# Altium PCB PROC054D_MMWCAS_RF_EVM.PcbDoc (part 1 of 14) (continued)
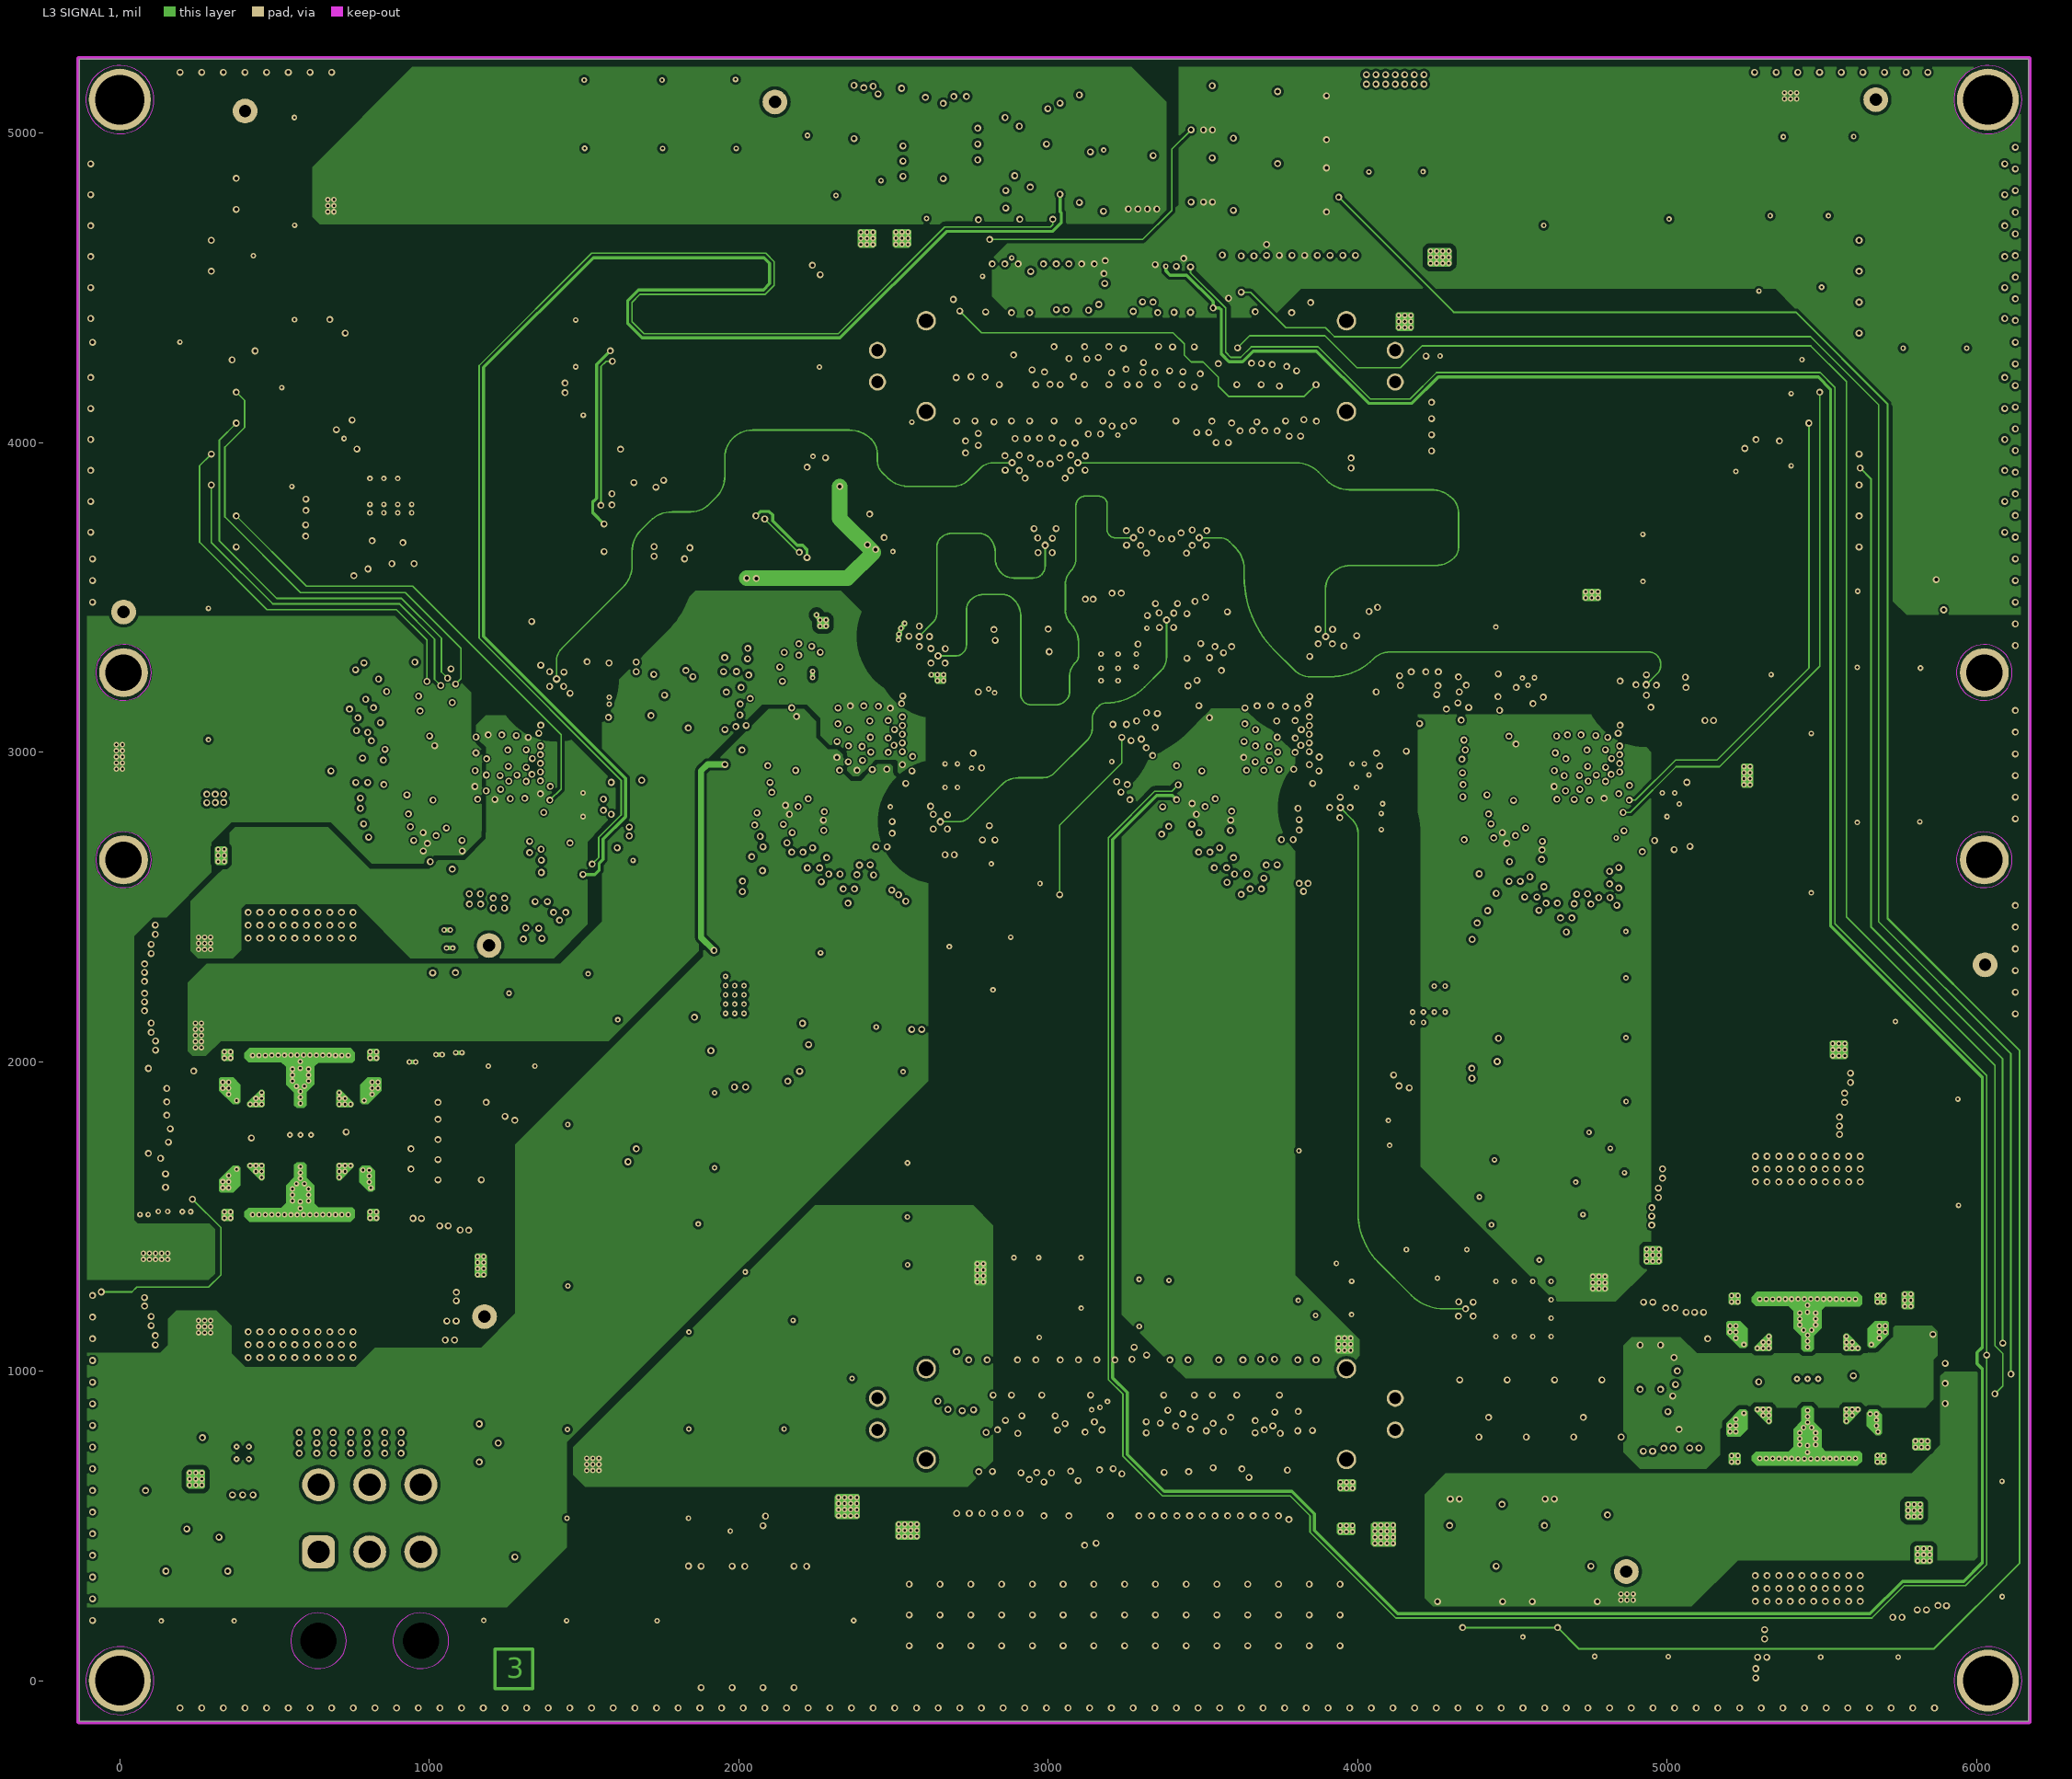
[diagram p3: L3 SIGNAL 1]
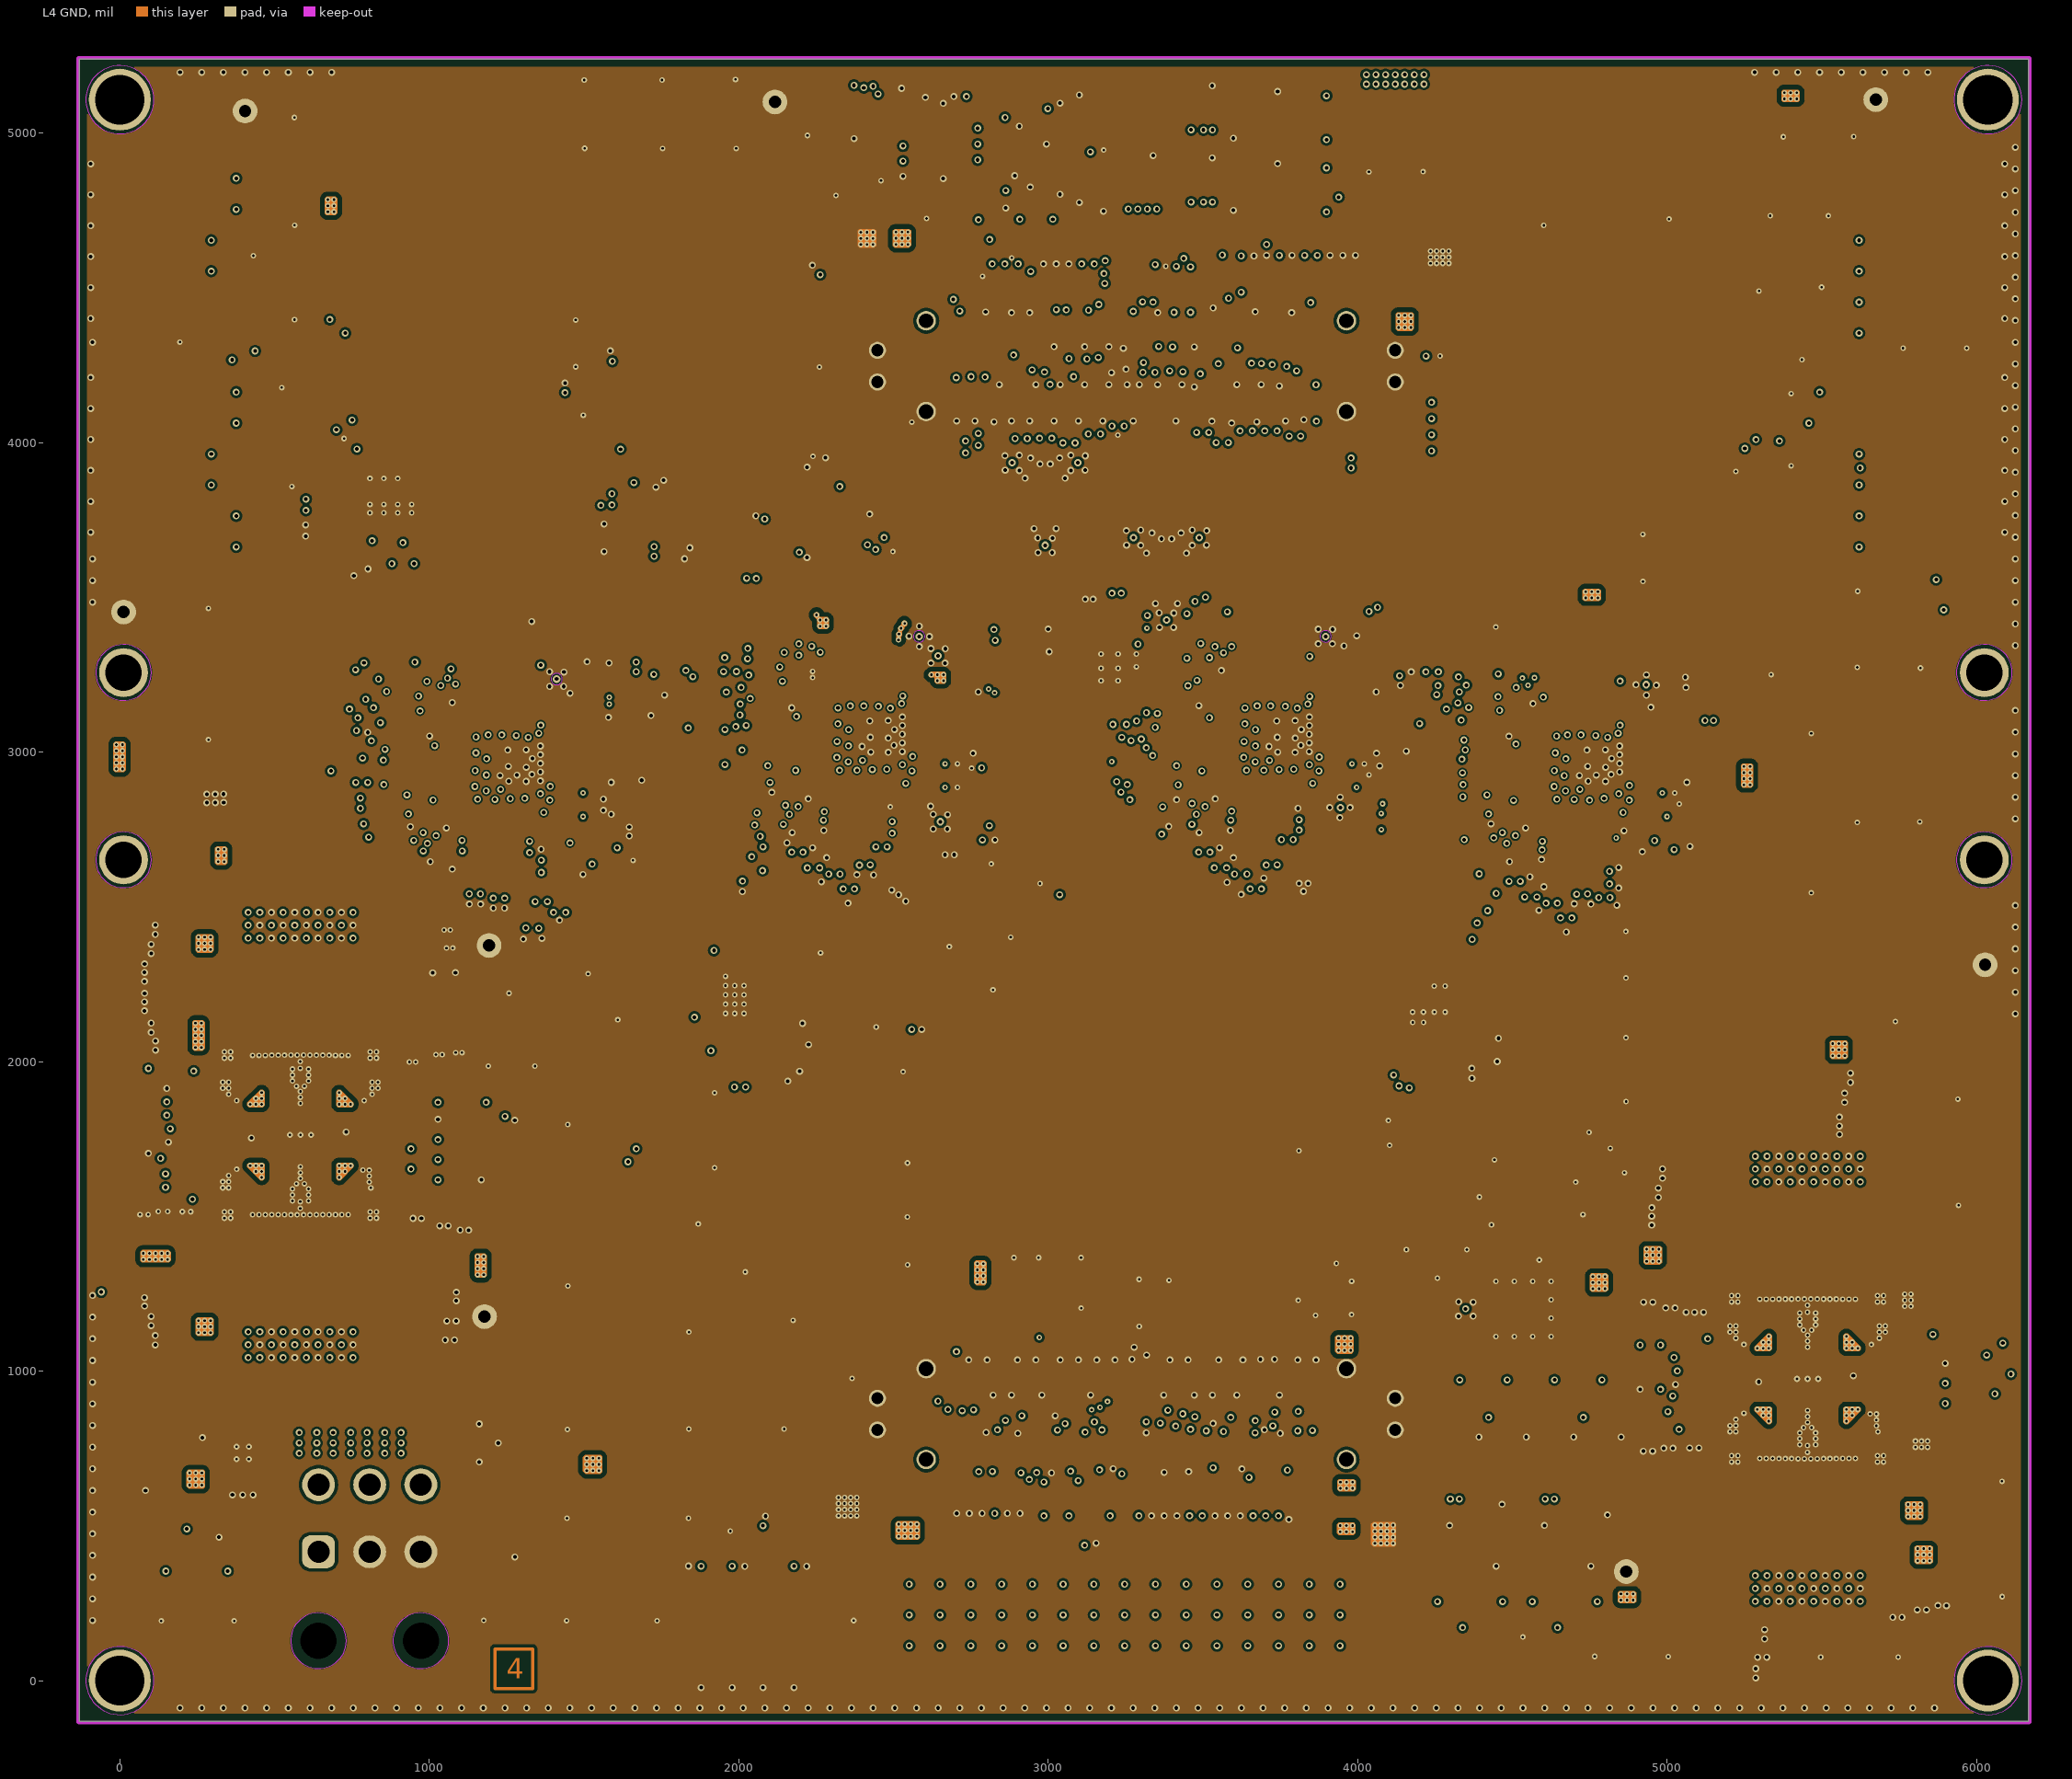
[diagram p4: L4 GND]
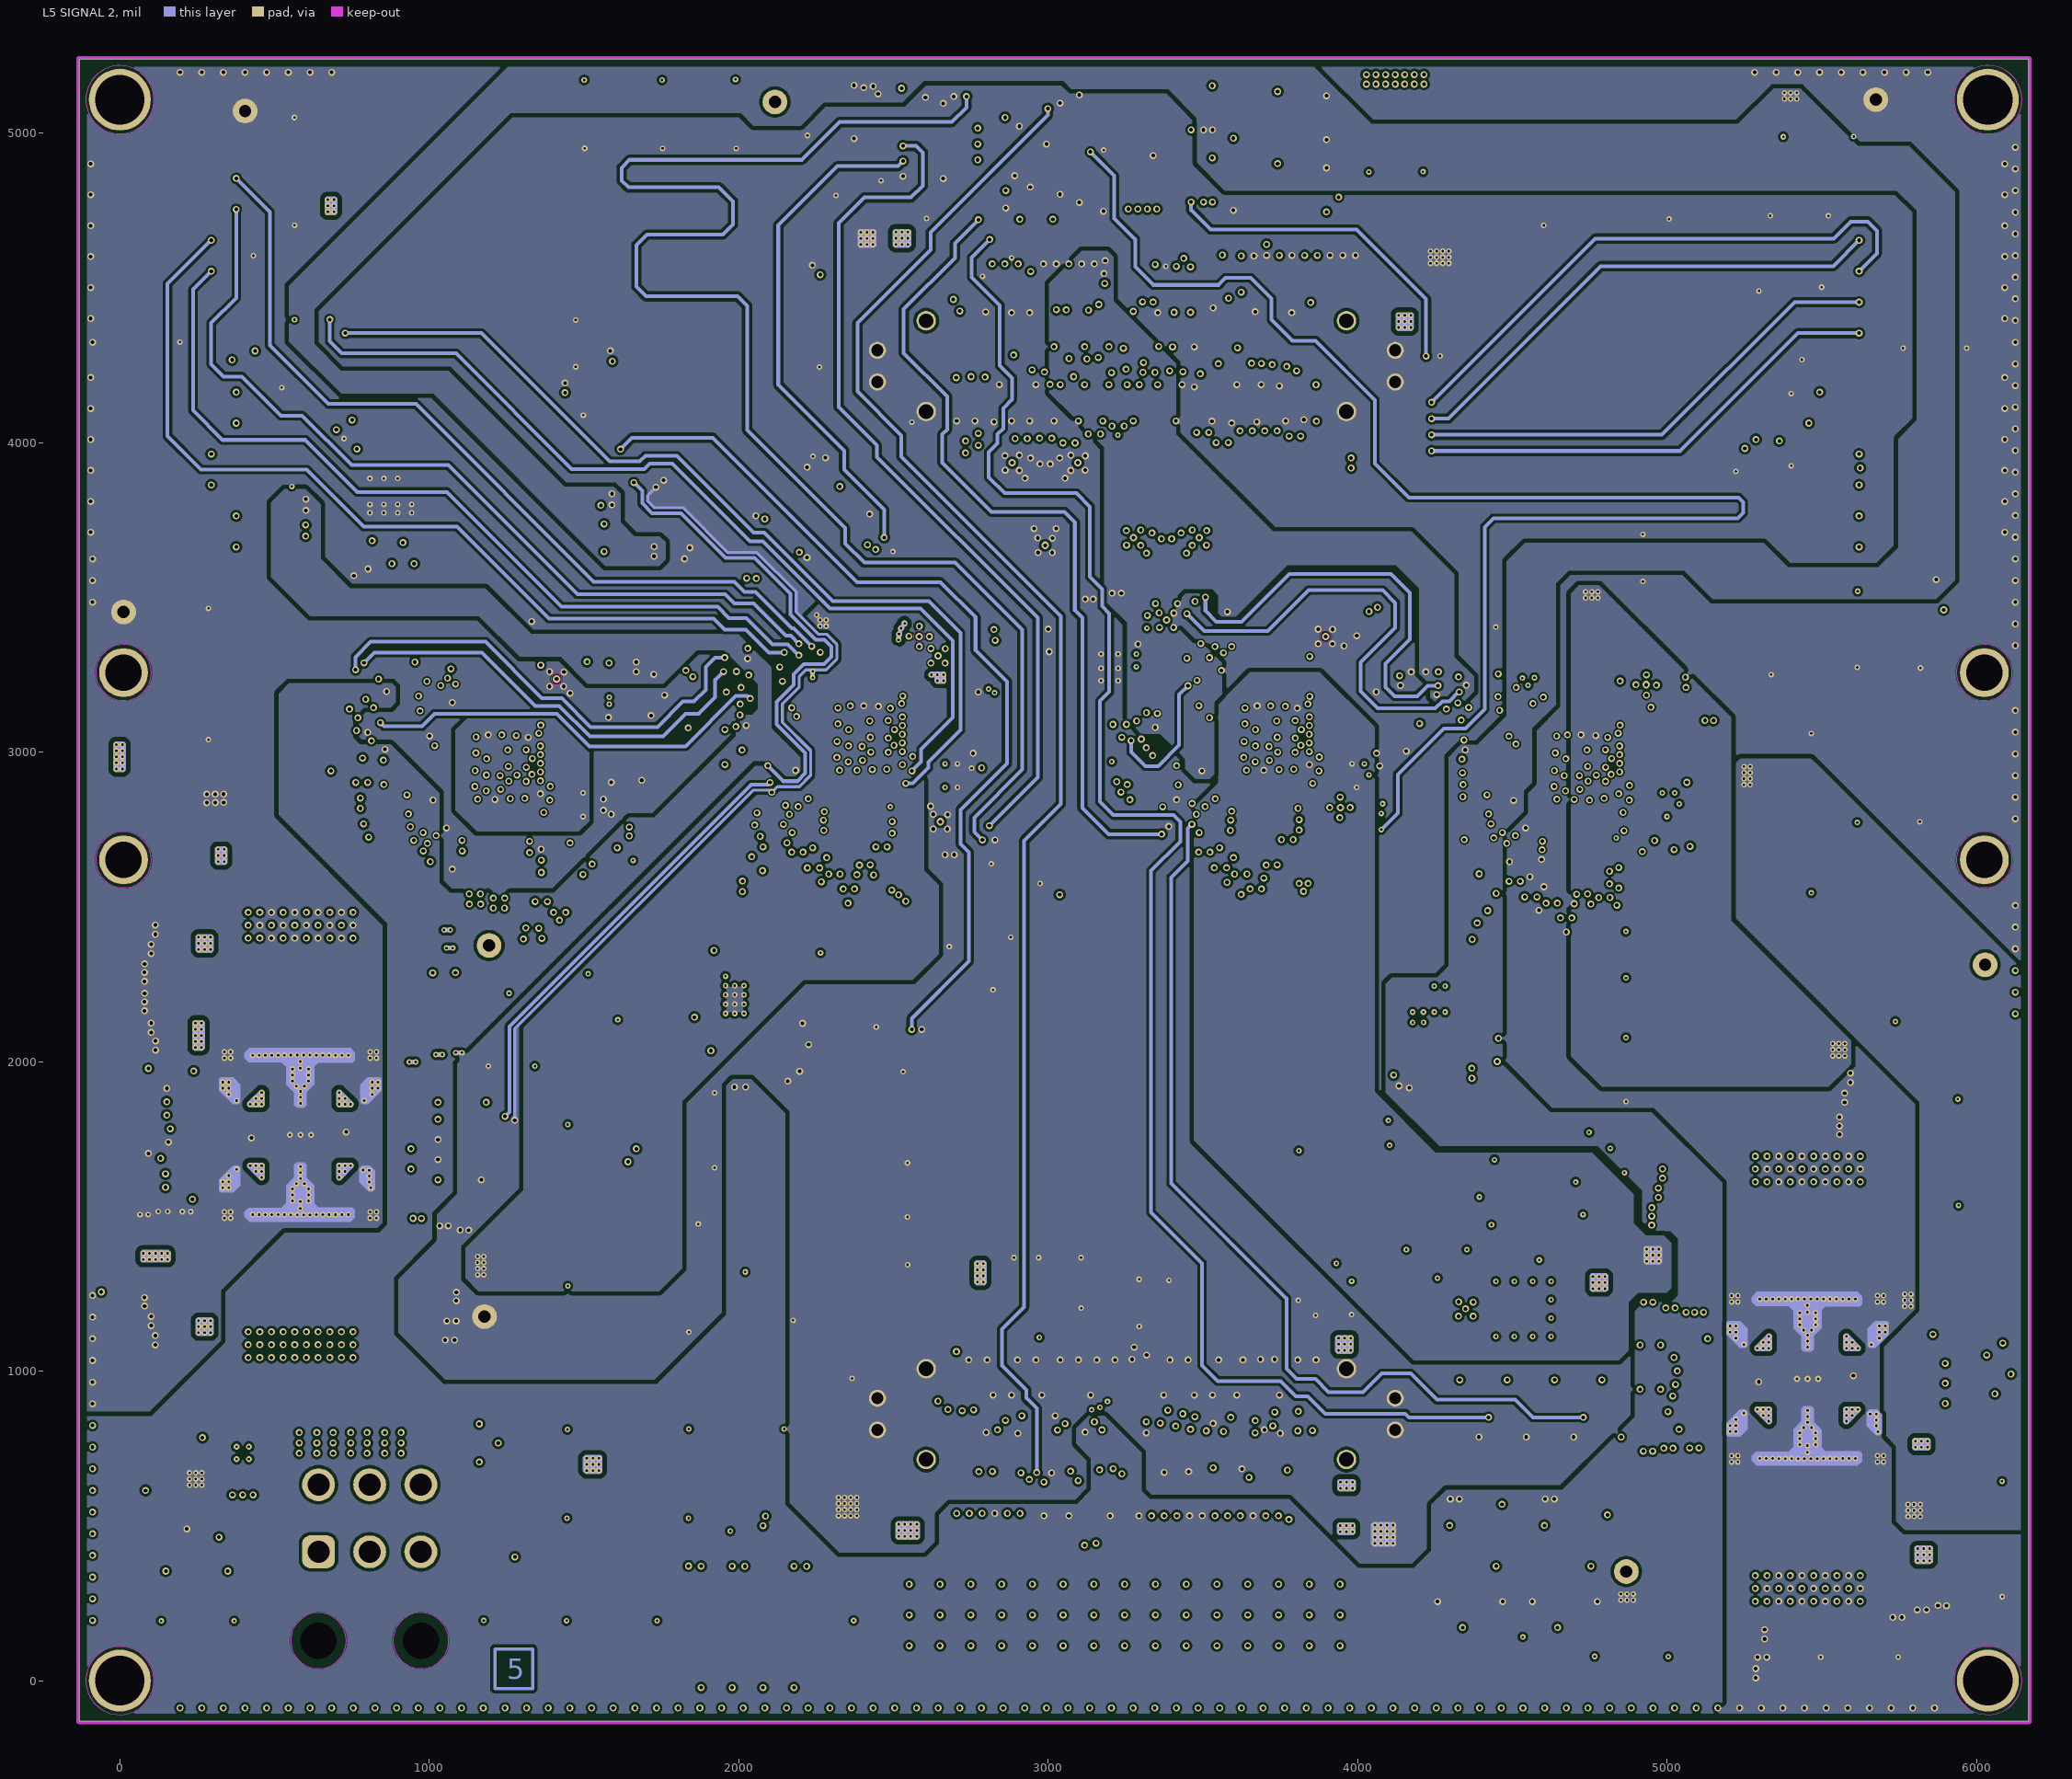
[diagram p5: L5 SIGNAL 2]
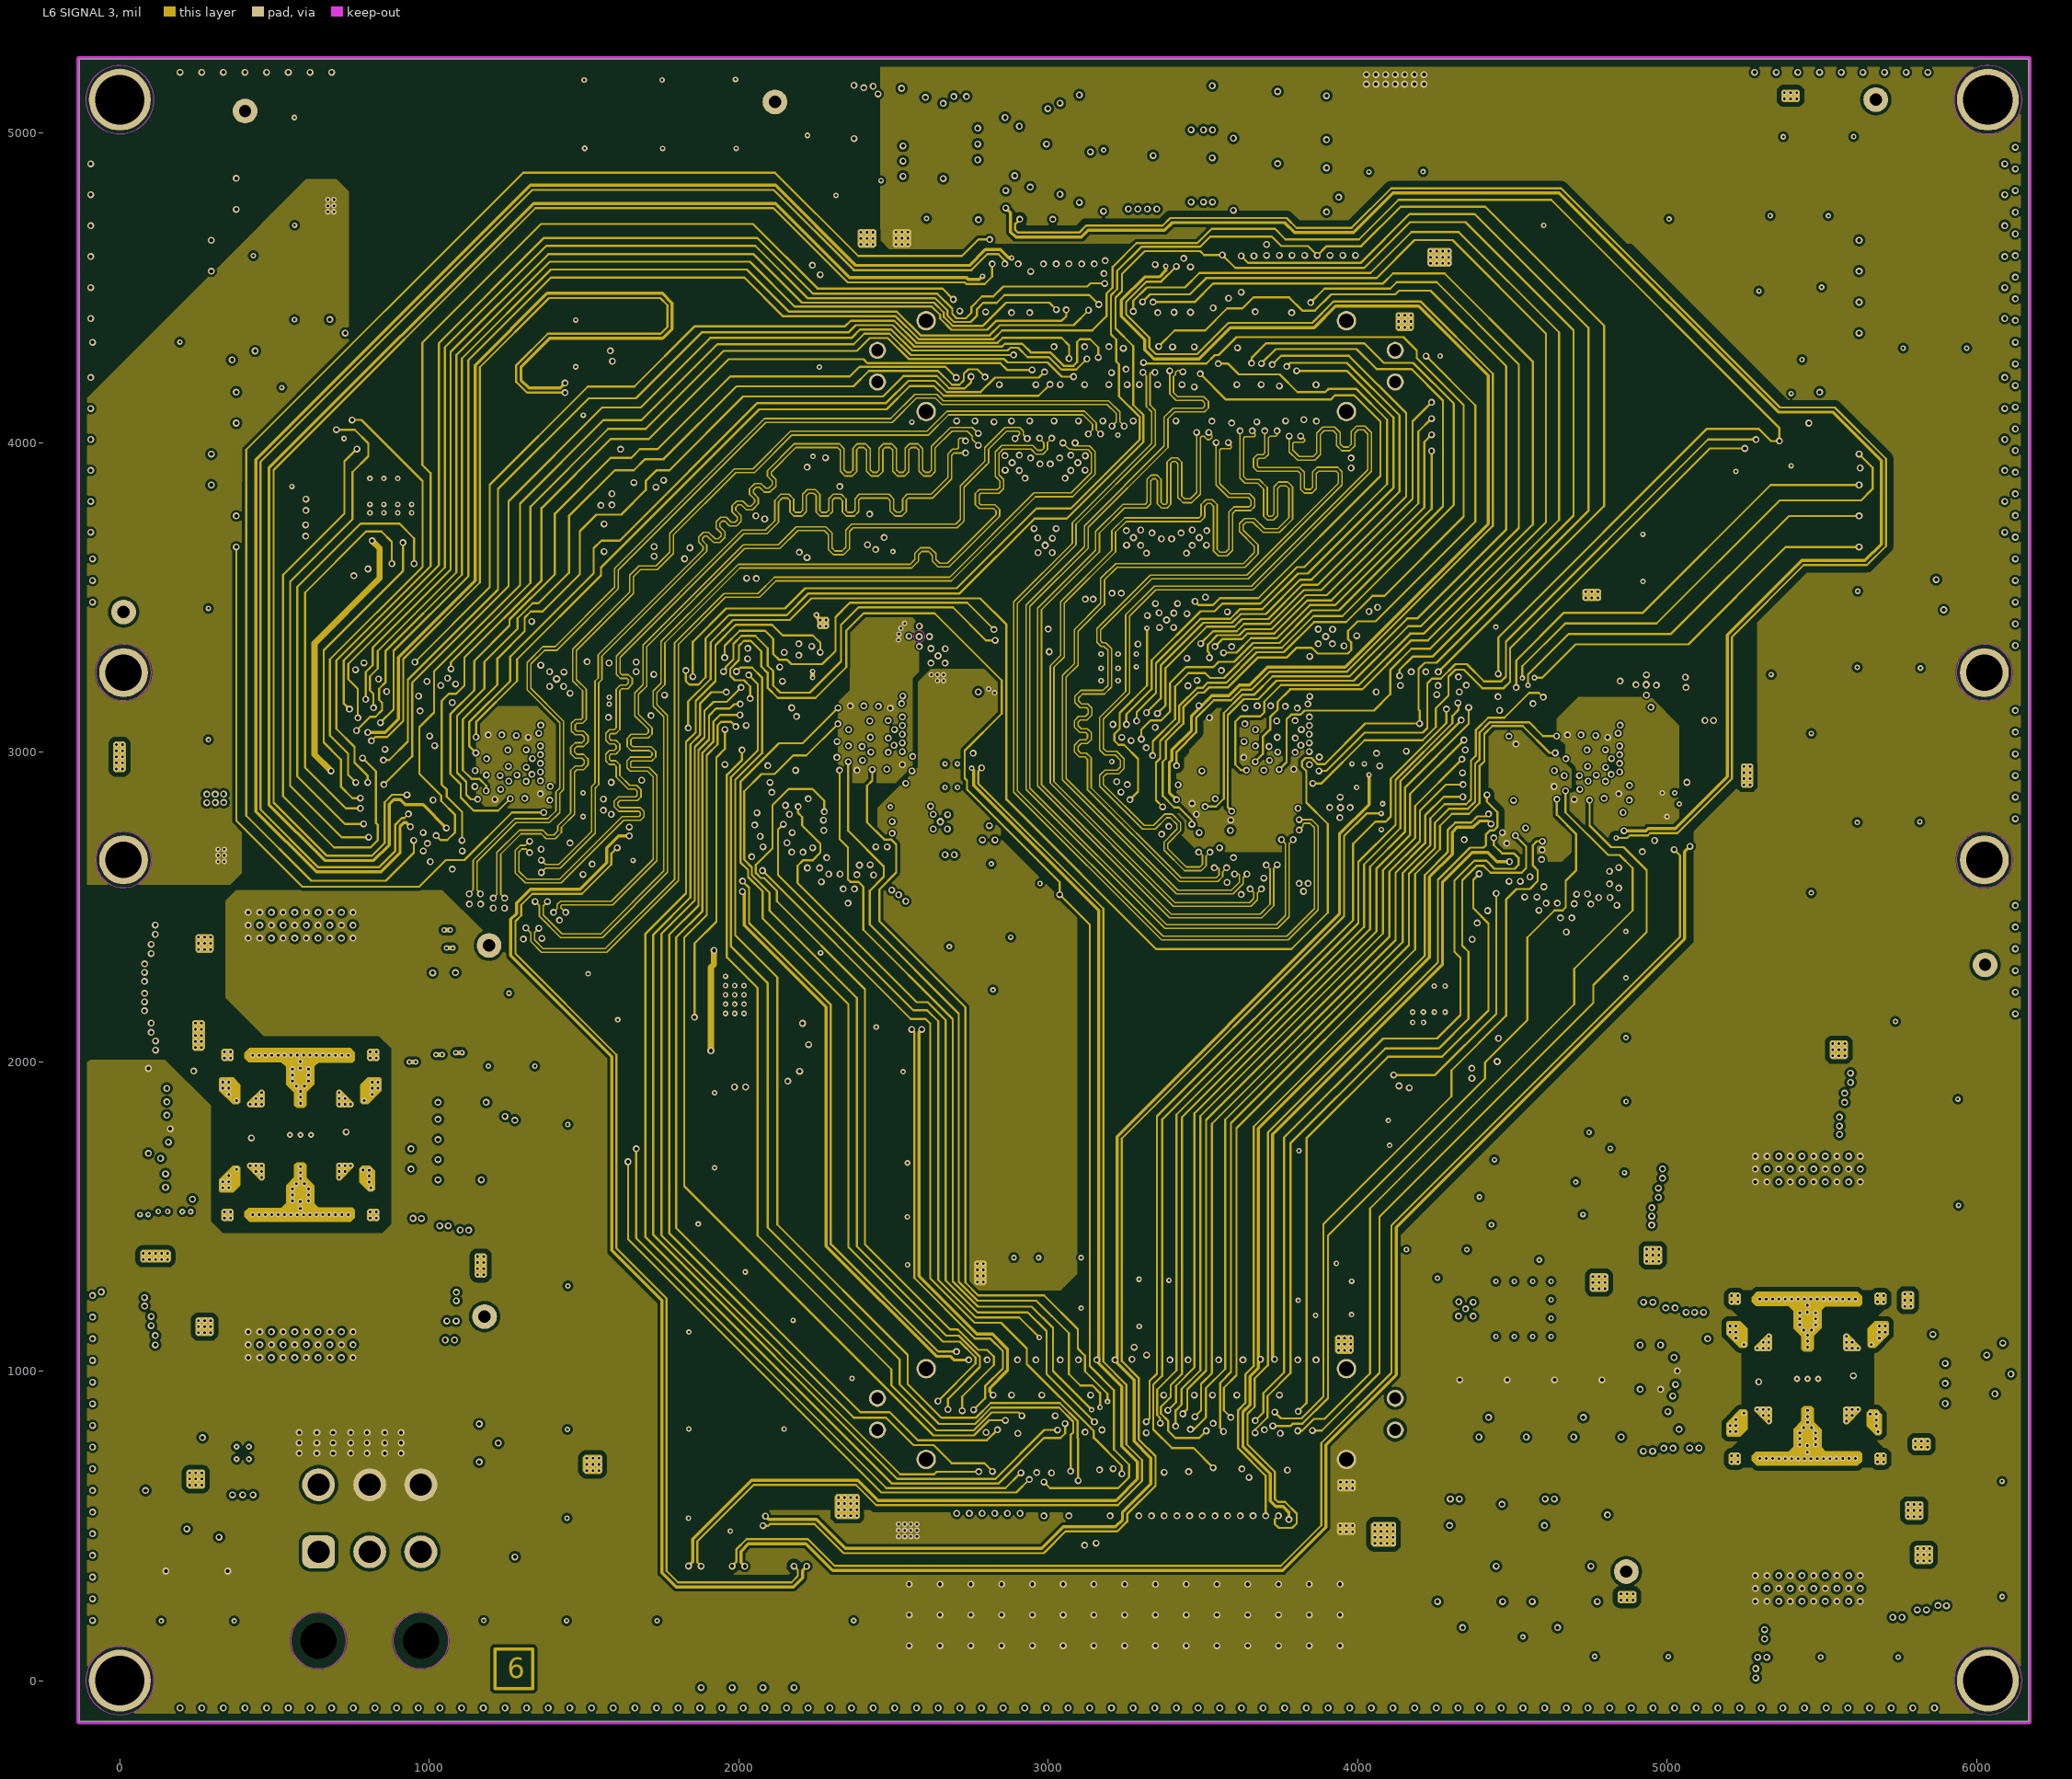
[diagram p6: L6 SIGNAL 3]